# Altium PCB DC_PCB.PcbDoc (continued)
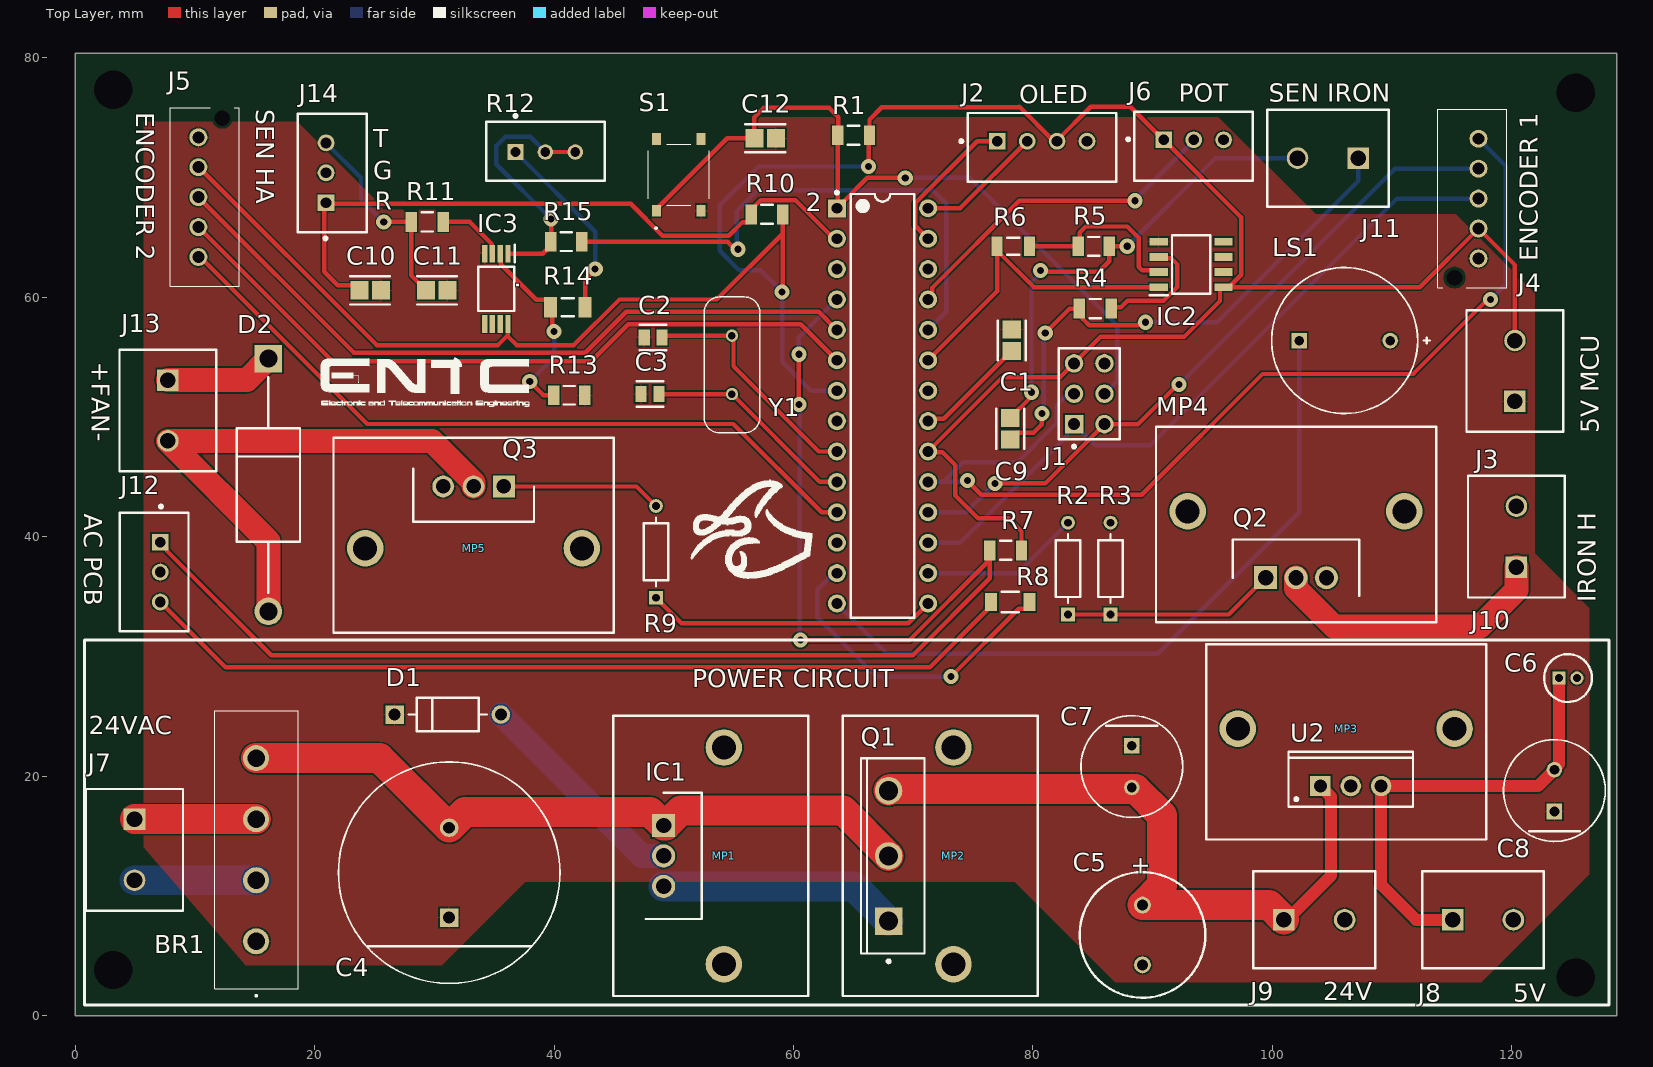
[diagram p0: Top Layer view]
## Part data (continued)
C6: "Capacitor Polarised", Manufacturer_Name=Panasonic, Datasheet Link=https://componentsearchengine.com/Datasheets/2/ECEA1HKS0R1.pdf, Height=6mm, Manufacturer_Part_Number=ECEA1HKS0R1, Parameter 1=100nf
C7 C8: library part CMP-05427-000020-1, "CAP ALUM 100UF 20% 50V RADIAL", Capacitance=100uF, Case/Package=Radial, ESR (Equivalent Series Resistance)=61mR, Max Operating Temperature=105°C, Min Operating Temperature=-40°C, Package Quantity=1, Ripple Current=870mA, Tolerance=20%, Voltage Rating=50V, Contact Plating=Tin, Diameter=8mm, Features="General Purpose", Height=11.5mm, Height - Seated (Max)=0.512inch, Impedance=61mR, Lead Diameter=0.6mm, Lead Free="Lead Free", Lead Pitch=5mm, Length=11.5mm, Life (Hours)=6000Hour, Mount="Through Hole", Packaging="Tape and Reel", Radiation Hardening=No, REACH SVHC="No SVHC", RoHS Compliant=Yes, Series=FR, Termination=Radial, Voltage Rating (DC)=50V
D1: library part CMP-123542-000001-1, "Rectifier diode 1000 V 1 A DO-41, ,", Capacitance=15pF, Forward Current=1A, Manufacturer=Diotec, Max Junction Temp=+175°C, Max Repetitive Reverse Voltage=1000V, Max Surge Forward Current=27A, Peak Reverse Current=5uA, Temperature="-50°C to +175°C", Temperature Range Low=-50°C, Automotive=No, Category=Diode, ComponentLink2Description=Datasheet, ComponentLink2URL=https://datasheet.octopart.com/1N4007-Diotec-datasheet-62346875.pdf, Device Class L1="Discrete Semiconductors", Device Class L2=Diodes, Device Class L3="Rectifier Diodes", Height=2.8mm, Ipc Land Pattern Name=DIOAD888W100L520D280, Lead Free=Yes, Manufacturer Part Number=1N4007, Octopart=https://octopart.com/1n4007-diotec-4040411, Package=1N4007, Reverse Voltage=1000V, RoHS=TRUE, Temperature Range High=+175°C
D2: library part CMP-02540-000083-1, "DIODE GEN PURP 1KV 3A DO201AD", Average Rectified Current=3A, Capacitance=36pF, Case/Package=DO-201AD, Forward Voltage=1.7V, Max Forward Surge Current (Ifsm)=150A, Max Operating Temperature=150°C, Max Repetitive Reverse Voltage (Vrrm)=1kV, Max Reverse Current=10uA, Min Operating Temperature=-55°C, Package Quantity=1, Element Configuration=Single, Forward Current=3A, Height=5.3mm, Lead Free="Lead Free", Length=9.5mm, Max Reverse Voltage (DC)=1kV, Max Surge Current=150A, Mount="Through Hole", Number of Pins=2, Output Current=3A, Outside Diameter=5.3mm, Packaging="Tape and Reel", Peak Non-Repetitive Surge Current=150A, Polarity=Standard, Radiation Hardening=No, Recovery Time=75ns, Reverse Recovery Time=75ns, Reverse Recovery Time-Max=75ns, Reverse Voltage=1kV, RoHS Compliant=Yes, Series=-, Termination=Axial, Width=5.3mm
IC1: "Integrated Circuit", Manufacturer_Name="Texas Instruments", Mouser Part Number=N/A, Datasheet Link=https://media.digikey.com/pdf/Data%20Sheets/National%20Semiconductor%20PDFs/LM140,LM340(A).LM7800C.pdf, Height=4.7mm, Manufacturer_Part_Number=LM7824CT, Mouser Price/Stock=https://www.mouser.co.uk/ProductDetail/Texas-Instruments/LM7824CT?qs=9V2QonpqdTsSUSVcEBRo9w%3D%3D
IC2: "Integrated Circuit", Manufacturer_Name=onsemi, Mouser Part Number=512-LM358MX, Arrow Part Number=LM358MX, Arrow Price/Stock=https://www.arrow.com/en/products/lm358mx/on-semiconductor, Datasheet Link=http://www.onsemi.com/pub/Collateral/LM358A-D.pdf, Height=1.75mm, Manufacturer_Part_Number=LM358MX, Mouser Price/Stock=https://www.mouser.co.uk/ProductDetail/onsemi-Fairchild/LM358MX?qs=k6rL%2Fc%252BPp3K5YsPvcEtWGQ%3D%3D
IC3: "Integrated Circuit", Arrow Part Number=MCP6022-I/ST, Manufacturer_Name=Microchip, Mouser Part Number=579-MCP6022-I/ST, Arrow Price/Stock=https://www.arrow.com/en/products/mcp6022-ist/microchip-technology?region=europe, Datasheet Link=https://datasheet.datasheetarchive.com/originals/distributors/Datasheets-DGA24/1612719.pdf, Height=1.2mm, Manufacturer_Part_Number=MCP6022-I/ST, Mouser Price/Stock=https://www.mouser.co.uk/ProductDetail/Microchip-Technology/MCP6022-I-ST?qs=cQYLKLPzRJmFw784uzHvww%3D%3D
J1: library part CMP-00257-00655468-1, "90131-0763 Conn Unshrouded Header HDR 6 POS 2.54mm Solder ST Top Entry Thru-Hole C-Grid III™ Tray", Contact Resistance=20mΩ, Current Rating=3A, Housing Color=Black, Insulation Resistance=5GΩ, Manufacturer Lifecycle Status=ACTIVE, Max Operating Temperature=125°C, Min Operating Temperature=-55°C, Voltage Rating=350V, Contact Material=Brass, Contact Plating=Gold, Country of Origin=SG, Gender=Male, Height=9.65mm, Housing Material=Polyester, Lead Free="Lead Free", Lead Pitch=2.54mm, Lifecycle Status=Production, Material="Glass, Polyester", Mount="Through Hole", NexarPartId=655468, Number of Circuits=6, Number of Contacts=6, Number of Poles=6, Number of Positions=6, Number of Rows=2, Orientation=Vertical, Parameter 1=CODE, Pitch=2.54mm, Plating=Tin, Radiation Hardening=No, REACH SVHC=Unknown, RoHS=Compliant, Schedule B=8536694040, Termination="Through Hole", Voltage Rating (AC)=350V, Voltage Rating (DC)=350V, Working Voltage=350V
J2: library part CMP-17439-000250-1, "CONN HEADER VERT 4POS 2.5MM", Color=Natural, Contact Resistance=20mR, Current Rating=3A, Flammability Rating="UL94 V-0", Housing Color=White, Insulation Resistance=1GR, Max Operating Temperature=85°C, Max Voltage Rating (AC)=250V, Min Operating Temperature=-25°C, Package Quantity=500, Connector Type=Header, Contact Finish - Mating=TIN, Contact Material=Brass, Contact Plating=Tin, Contact Shape=Square, Contact Type="Male Pin", Depth=5.75mm, Fastening Type=Detent, Gender=Male, Housing Material=Polyamide, Insulation Color=Natural, Insulation Material=Nylon, Lead Free="Lead Free", Lead Pitch=2.5mm, Length=12.4mm, Mated Stacking Heights=9.8mm, Material=Polyamide, Max Current Rating=3A, Max Voltage Rating (DC)=250V, Mount="Through Hole", Number of Contacts=4, Number of Positions=4, Number of Rows=1, Orientation=Straight, Packaging=Bulk, Pitch=2.5mm, REACH SVHC="No SVHC", Series=XH, Termination=Solder, Voltage Rating=250V, Voltage Rating (AC)=250V, Wire/Cable Gauge=22AWG
J3 J7 J8 J9 J10 J11 J13: library part CMP-2000-05815-1, "PCB Terminal Block, 13.5 A, 400 V, 2-Pin THD, RoHS, Bulk", Current Rating=13500mA, Manufacturer="Phoenix Contact", Package Description="2-Pin Through Hole Device, Body 8.1 x 10.16 mm, Pitch 5.08 mm", Package Reference=1729128-2, Package Version=03/2015, Voltage Rating=400V, Datasheet URL=https://datasheet.ciiva.com/16046/1729128-16046181.pdf, Datasheet Version=12/2013, Manufacturer URL=http://www.phoenixcontact.com/, Mounting Technology=ThroughHole, No. of Positions=2, No. of Rows=1, Orientation=Horizontal, Package URL=https://www.phoenixcontact.com/online/portal/pi/pxc/product_detail_page/!ut/p/b1/3VdJjqNKFDxLH8AFycySyWY2ozFsEPOMMQaDOX1XedGL_1Vdm5YXJleknhSKeBkvI6EA8ncAo3AYoDhBQGco6KN7VURTdemj9us_IEKEZo_YHiPAEWEFmDGOHMORkqKYCORBZxgL7ZoaZYcbFFUZ3fqxSY6GOuxydWUuHqz1ynmMFygu583Bob0Ewr6Sd_l-5m-kAueHiB0jpRwZwe58wwtkpxtMYd_LmGcDRU02dRNEyWt6Y2ti5pSyJ_reIkzIulrqApdnbT11V5jnCKbYNCvhEM1MCpPByat_X379-iThf08CI5GfOPqfBeS3BRoBOdD55AKVv0iLwCMq-2BrzXWSGRH7pUGD9uwXQjiph3xL0DKQwdGa0JImiIOmBNOestqgwTHSSs2oOep-78apyXQBvNi8ZLaFjvjWvcaUEBu0MC6Wbe-d6mB0FAebo2lUWinqYaZs5DAYzV0RP9yitUjnGJ0iI9xhZkT42OCQNUJJhkgWINNQLP2JFP6OpMg3JCVg70jqHT0lvKOnhHf0lPuOnnLf0VPuWx6_dxwUIvwk5WMkT0kLL1mh61l2yZVSzG3pYV_bqo-mj6uMKwKwdnnW8Jh5RTOJzMOA5c-eJDaZQw4mTMPH02PvS_ZAqNVjVTo2WyYLkwH_KU1mmmG5kjRhDqPXLwwVHvVOjCM60-fpXvTDfMGW1PVFVS1r4e4yVDk4ZdNbkUHvqPqQSeian4UD39fNKmachqdJ1NJbyk8rXT9mXTvPk3oE5meulKGgiruPJek-4I9hTT6G8ZLOyRSm2RRVbThERQad5OS28hdt4YW4vG0stgYYzsWsK4_7y6DZMjJSCqri1kyiZR5vD7pwIrNR7QwPHTcLTI5qT7eRlpHrdGiupYlqQDJ7zy_CND8fWWBoLRXxk1RVcXiBQwbTD4Xi7KL-FuO94t9xaqweXzH, Packing=Bulk, PartNumber=1729128, Pitch=5.08mm, RoHS=TRUE
  J3 J8: Parameter 1=5V
  J7: Parameter 1=24VAC
  J9: Parameter 1=24V
  J10: Parameter 1="Soldering Iron H"
  J11: Parameter 1="THERMO COUPLE IRON"
  J13: Parameter 1=FAN
J4 J5: "Connector", Arrow Part Number="B5B-XH-AM (LF)(SN)", Manufacturer_Name="JST (JAPAN SOLDERLESS TERMINALS)", Arrow Price/Stock=https://www.arrow.com/en/products/b5b-xh-am-lf-sn/jst-manufacturing, Datasheet Link=http://uk.rs-online.com/web/p/products/1755317, Height=7mm, Manufacturer_Part_Number="B5B-XH-AM (LF)(SN)"
  J4: Parameter 1=ENCODER_IRON
  J5: Parameter 1=ENCODER_HOT_AiR
J6 J12 J14: library part CMP-17439-000014-3, "CONN HEADER VERT 3POS 2.5MM", Color=Natural, Contact Resistance=20mR, Current Rating=3A, Flammability Rating="UL94 V-0", Housing Color=White, Insulation Resistance=1GR, Max Operating Temperature=85°C, Max Voltage Rating (AC)=250V, Min Operating Temperature=-25°C, Connector Type=Header, Contact Finish - Mating=TIN, Contact Material=Brass, Contact Plating=Tin, Contact Shape=Square, Contact Type="Male Pin", Depth=5.75mm, Fastening Type=Detent, Gender=Male, Housing Material=Polyamide, Insulation Color=Natural, Insulation Material=Nylon, Lead Free="Lead Free", Lead Pitch=2.5mm, Length=9.9mm, Max Current Rating=3A, Max Voltage Rating (DC)=250V, Mount="Through Hole", Number of Contacts=3, Number of Positions=3, Number of Rows=1, Orientation=Straight, Packaging=Bulk, Pitch=2.5mm, REACH SVHC="No SVHC", Series=XH, Termination=Solder, Voltage Rating=250V, Voltage Rating (AC)=250V, Wire/Cable Gauge=22AWG
  J6: Parameter 1=POT
  J12: AC PCB=POT, Parameter 1="AC PCB"
  J14: AC PCB=POT, Parameter 1="SENSOR HOT AIR"
LS1: library part CMP-231724-000001-1, "AUDIO MAGNETIC INDICATOR 3-7V TH", Color=Black, Current Rating=30mA, Frequency=2.3kHz, Max Operating Temperature=85°C, Max Supply Voltage=7V, Min Operating Temperature=-40°C, Min Supply Voltage=3V, Nominal Supply Voltage (DC)=5V, Package Quantity=100, Bandwidth=2.3kHz, Contact Plating=Tin, Diameter=12mm, Height=9.5mm, Input Current=30mA, Input Type=DC, Lead Free="Lead Free", Length=12mm, Max Supply Current=30mA, Max Supply Voltage (DC)=7V, Min Supply Voltage (DC)=3V, Mount="Through Hole", Operating Supply Current=30mA, Packaging=Tray, Parameter 1=BUZZER, REACH SVHC="No SVHC", Self Resonant Frequency=2.3kHz, Sensing Method=Magnetic, Series=AI, Termination="PC Pins", Voltage Rating (DC)=5V, Washable=Yes, Weight=0.01lb, Width=12mm
MP1 MP2 MP3 MP4 MP5: library part CMP-33535-000032-1, "HEATSINK W/CLIP FOR TO-264", Case/Package=TO-264, Natural Thermal Resistance=12°C/W, Package Quantity=10, Thermal Resistance @ Forced Air Flow (100 LFM)=8°C/W, Height=32mm, Height Off Base=0.63inch, Length=1.26inch, Material=Aluminium, Mount=Clip, Package Cooled=TO-264, Packaging=Bulk, RoHS Compliant=Yes, Series=W, Shape=Fins, Weight=0.42oz, Width=23.4mm
Q1: library part CMP-1048-01314-1, "Complementary Silicon Power Transistor, 3-Pin TO-247, Pb-Free, Tube", Manufacturer="On Semiconductor", ComponentLink1Description="Manufacturer URL", ComponentLink1URL=http://www.onsemi.com/, ComponentLink2Description=Datasheet, ComponentLink2URL=http://www.onsemi.com/pub_link/Collateral/TIP3055-D.PDF, ComponentLink3Description="Package Specification", ComponentLink3URL=http://www.onsemi.cn/pub_link/Collateral/340L-02.PDF, DatasheetVersion="Rev. 7", fT Min (MHz)=2.5, IC Continuous (A)=15, Mounting Technology="Through Hole", PackageDescription="3-Pin Flange Mount, Vertical Straight Lead, Body 16.005 x 5 mm, Pitch 5.45 mm", PackageReference=TO-247-3-340L-02, PackageVersion="Rev. F, 10/2011", Packing=Tube, PartNumber=TIP3055G, Polarity=NPN, RoHS=TRUE
Q2: "MOSFET (N-Channel)", Manufacturer_Name=Infineon, Datasheet Link=http://uk.rs-online.com/web/p/products/3713068, Height=4.69mm, Manufacturer_Part_Number=IRF540N
Q3: "MOSFET (N-Channel)", Manufacturer_Name="Inchange Semiconductor", Datasheet Link=https://4donline.ihs.com/images/VipMasterIC/IC/INSE/INSES02201/INSES02201-1.pdf?hkey=EF798316E3902B6ED9A73243A3159BB0, Height=4.4mm, Manufacturer_Part_Number=IRFZ44N
R1 R4 R7 R10 R11: library part CMP-2003-04807-2, "RES Thick Film, 10kΩ, 1%, 0.25W, 100ppm/°C, 1206", Case Code (Imperial)=1206, Case Code (Metric)=3216, Max Operating Temperature=155°C, Max Power Dissipation=250mW, Min Operating Temperature=-55°C, Package Quantity=10, Resistance=10kR, Temperature Coefficient=100ppm/°C, Tolerance=1%, Voltage Rating=200V, Case/Package=1206, Composition="Thick Film", Contact Plating=Tin, Depth=1.6mm, Features="Automotive AEC-Q200", Height=0.55mm, Lead Free="Lead Free", Length=3.2mm, Military Standard=Not, Number of Pins=2, Number of Terminations=2, Packaging="Tape and Reel", Power Rating=250mW, Radiation Hardening=No, Termination=SMD/SMT, Voltage Rating (DC)=200V, Weight=0.000353oz, Width=0.063inch, Working Voltage=200V
R2 R3 R9: library part CMP-00030-44386654-1, "CMF5073K200FHEB Res Metal Film 73.2K Ohm 1% 0.125W(1/8W) ±50ppm/°C Epoxy AXL T/R", Case/Package=Axial, Max Operating Temperature=175°C, Max Power Dissipation=250mW, Min Operating Temperature=-55°C, Power Rating=125mW, Resistance=73.2kΩ, Temperature Coefficient=50ppm/°C, Tolerance=1%, Voltage Rating=200V, Composition="Metal Film", Diameter=1.65mm, Features="Flame Retardant Coating, Moisture Resistant", Lead Free="Lead Free", Length=3.81mm, Mount="Through Hole", NexarPartId=44386654, Number of Terminations=2, Packaging="Cut Tape", RoHS=Compliant, Schedule B="8533210090, 8533210090", Termination=Axial, Voltage Rating (DC)=200V, Width=1.65mm
R5 R13: library part CMP-03211-006592-1, "CRGCQ1206 1KΩ 0.25W 1% ±100ppm/°C 200V", Ambient Temperature Range High=+70°C, Manufacturer="TE Connectivity", Package=CRGCQ1206, Power Rating=0.25W, Resistance=1KΩ, Temperature="-55°C to +155°C", Temperature Coefficient=±100ppm/°C, Temperature Range High=+155°C, Temperature Range Low=-55°C, Tolerance=0.01, Voltage Rating=200V, Automotive=Yes, Automotive Grade="Grade 685", Category=Res, ComponentLink2Description=Datasheet, ComponentLink2URL=https://www.te.com/commerce/DocumentDelivery/DDEController?Action=showdoc&DocId=Data+Sheet%7F1773204-3%7F1%7Fpdf%7FEnglish%7FENG_DS_1773204-3_1.pdf%7F4-2176347-694, Composition="Thick Film", Device Class L1="Passive Components", Device Class L2=Resistors, Device Class L3="Chip SMD Resistors", Height=0.65mm, Ipc Land Pattern Name=RESC310155X55, Lead Free=Yes, Manufacturer Part Number=CRGCQ1206F1K0, Octopart=https://octopart.com/crgcq1206f1k0-te+connectivity-91018258, RoHS=TRUE, Series=CRGCQ
R6: library part CMP-2003-04836-1, Manufacturer="Vishay Dale", Parameter 1=120K, Part Number=CRCW1206120KFKEA
R8: library part CMP-03412-034136-1, "RES SMD 220 OHM 1% 1/4W 1206", Manufacturer=Yageo, Package=AC1206, Power Rating=0.25W, Resistance=220Ω, Temperature="-55°C to +155°C", Temperature Range High=+155°C, Temperature Range Low=-55°C, Tolerance=0.01, Voltage Rating=200V, Automotive=Yes, Automotive Grade="Grade 0", Category=Res, ComponentLink2Description=Datasheet, ComponentLink2URL=http://www.yageo.com/NewPortal/yageodocoutput?fileName=/pdf/R-Chip/PYu-AC_51_RoHS_L_6.pdf, Composition="Thick Film", Device Class L1="Passive Components", Device Class L2=Resistors, Device Class L3="Chip SMD Resistors", Digikey Description="RES SMD 220 OHM 1% 1/4W 1206", Footprint Url=http://www.yageo.com/exep/pages/download/literatures/PYu-R_Mount_10.pdf, Height=0.65mm, Ipc Land Pattern Name=RESC310160X55, Lead Free=Yes, Manufacturer Part Number=AC1206FR-07220RL, Mouser Description="Thick Film Resistors - SMD 1/4W 220ohm 1% AEC-Q200", Octopart=https://octopart.com/ac1206fr-07220rl-yageo-30511077, RoHS=TRUE, Series=AC
R12: library part CMP-50449-000002-1, "TRIMMER 100K OHM 0.5W PC PIN TOP", Max Operating Temperature=125°C, Max Power Dissipation=500mW, Min Operating Temperature=-55°C, Package Quantity=100, Resistance=100kR, Resistance Tolerance=10%, Resistor Type=Cermet, Temperature Coefficient=100ppm/°C, Voltage Rating=200V, Depth=4.95mm, Height=0.409inch, Lead Free="Lead Free", Length=9.53mm, Military Standard=Not, Mount="Through Hole", Number of Turns=20, Packaging=Bulk, Power Rating=500mW, Radiation Hardening=No, REACH SVHC="No SVHC", RoHS Compliant=Yes, Series=67, Technology=CERMET, Termination=Pin, Tolerance=10%, Type=Potentiometer, Voltage Rating (DC)=200V, Weight=1.1g
R14: library part CMP-1014-00736-2, Manufacturer="Vishay Dale", Parameter 1=100K, Part Number=CRCW1206100KFKEA
R15: library part CMP-03211-011147-1, "CRGCQ 1206 470R 1%", Ambient Temperature Range High=+70°C, Manufacturer="TE Connectivity", Package=CRGCQ1206, Power Rating=0.25W, Resistance=470Ω, Temperature="-55°C to +155°C", Temperature Coefficient=±100ppm/°C, Temperature Range High=+155°C, Temperature Range Low=-55°C, Tolerance=0.01, Voltage Rating=200V, Automotive=Yes, Automotive Grade="Grade 609", Category=Res, ComponentLink2Description=Datasheet, ComponentLink2URL=https://www.te.com/commerce/DocumentDelivery/DDEController?Action=showdoc&DocId=Data+Sheet%7F1773204-3%7F1%7Fpdf%7FEnglish%7FENG_DS_1773204-3_1.pdf%7F4-2176347-618, Composition="Thick Film", Device Class L1="Passive Components", Device Class L2=Resistors, Device Class L3="Chip SMD Resistors", Digikey Description="CRGCQ 1206 470R 1%", Height=0.65mm, Ipc Land Pattern Name=RESC310155X55, Lead Free=Yes, Manufacturer Part Number=CRGCQ1206F470R, Mouser Description="Res General Purpose Thick Film 1206 470 Ohm 1% 1/4W ±100ppm/°C Molded Paper T/R", Octopart=https://octopart.com/crgcq1206f470r-te+connectivity-91018284, RoHS=TRUE, Series=CRGCQ
S1: "Switch", Manufacturer_Name="XKB Connectivity", Datasheet Link=http://www.helloxkb.com/public/images/pdf/TS-1187A-X-X-X.pdf, Height=4.05mm, Manufacturer_Part_Number=TS-1187A-B-A-B
U2: library part CMP-0244-00483-1, "Positive Voltage Regulator, 5V, 3-Pin TO-220", ComponentLink1Description="Manufacturer URL", ComponentLink1URL=http://www.st.com, ComponentLink2Description=Datasheet, ComponentLink2URL=http://www.st.com/internet/com/TECHNICAL_RESOURCES/TECHNICAL_LITERATURE/DATASHEET/CD00000444.pdf, ComponentLink3Description="Package Specification", ComponentLink3URL=http://www.st.com/internet/com/TECHNICAL_RESOURCES/TECHNICAL_LITERATURE/PACKAGE_INFORMATION/CD00004649.pdf, DatasheetVersion=16/11/2011, PackageDescription="TO, Thru-Hole, Vertical, Heatsink Mounted; 3 In-Line Leads; Pitch 2.54 mm", PackageReference=TO220, PackageVersion=ver3.0
Y1: "16MHz Â±30ppm Crystal Series 40 Ohms HC-49/US", Package="HC49/US ECS International", Availability=Unavailable, MF="ECS Inc.", MP=ECS-160-S-4, Price=None, SnapEDA_Link=https://www.snapeda.com/parts/ECS-160-S-4/ECS%20Inc./view-part/3657575/?ref=snap

## Free pads (board coordinates)
  round 0 hole 3.2: 2(3.175,3.81) 2(3.175,77.343) 2(125.346,3.175) 2(125.346,77.089)

## Via types
v1: diameter 1.27, hole 0.6, Top Layer to Bottom Layer, 24 vias

## Nets (pads, with @x,y where several pads share a name; then routed paths per layer and width w, separated by ;. In a path a pad name is that pad's centre, name@x,y a point inside that pad or via, vN(x,y) a via of type N, cw(c..) or ccw(c..) an arc to the next point about the centre after c; other vN are vias at no path point)
+5: 2.7 2.20 IC2.8 IC3.8 J1.5 J2.3 J3.2 J4.2 J5.2 J6.1 R1.2 R7.2 R10.2 | length 228
  Top Layer w0.371: J5.2@10.319,70.866 25.178,56.007 35.311,56.007 36.105,56.802 ; IC3.8@36.154,57.757 36.154,56.733 36.88,56.007 41.656,56.007 45.466,59.817 53.595,59.817 59.094,65.316 ; v1(59.055,60.452) 59.111,60.508 R10.2 ; v1(66.259,70.925) 66.304,70.97 66.304,73.487 R1.2 66.35,74.84 67.383,75.873 78.828,75.873 78.876,75.92 81.749,73.047 J2.3@82.022,73.047 ; R7.2 79.05,40.457 77.978,41.529 75.438,41.529 73.533,43.434 73.533,45.974 72.435,47.072 71.292,47.072 2.20 77.47,53.34 82.296,53.34 J1.5 85.676,56.72 92.661,56.72 95.631,59.69 95.631,60.694 IC2.8@95.77,60.833 ; J2.3@82.022,73.107 84.836,75.92 88.135,75.92 J6.1@90.389,73.666 ; J6.1 97.409,66.675 97.409,61.874 IC2.8@96.368,60.833 ; IC2.8 IC2.8@96.368,60.833 ; J3.2 120.269,62.698 J4.2 112.308,60.833 IC2.8@96.368,60.833
  Bottom Layer w0.371: 2.7 61.468,52.197 59.055,54.61 v1(59.055,60.452) 57.26,62.247 55.482,62.247 53.848,63.881 53.848,67.691 57.082,70.925 v1(66.259,70.925)
ENCODER_1_D_1: 2.18 J1.2 J4.4 | length 57.9
  Top Layer w0.371: v1(76.835,44.45) 81.026,44.45 J1.2 88.773,49.403 92.075,52.705 v1(92.202,52.705)
  Bottom Layer w0.371: 2.18 74.422,42.037 v1(76.835,44.45) ; v1(92.202,52.705) 110.243,70.746 J4.4
ENCODER_1_D_2: 2.19 J1.3 J4.5 | length 84.1
  Top Layer w0.371: v1(74.549,44.704) 74.549,44.637 75.683,43.502 89.095,43.502 99.187,53.594 111.76,53.594 117.983,59.817 v1(118.237,59.817)
  Bottom Layer w0.371: 2.19 72.517,44.577 ; v1(74.549,44.704) 74.422,44.577 72.517,44.577 ; J1.3 83.213,51.717 82.705,51.717 81.974,50.986 81.974,49.494 78.707,46.228 74.168,46.228 72.517,44.577 ; J4.5 119.507,70.96 119.507,61.087 v1(118.237,59.817)
ENCODER_1_PWM: 2.17 J1.1 J4.3 | length 59.6
  Bottom Layer w0.371: 2.17 73.914,39.497 82.85,48.433 82.85,48.814 J1.1 85.217,47.625 89.789,47.625 110.41,68.246 J4.3
ENCODER_2_D_1: 2.6 J5.4 | length 60.5
  Top Layer w0.371: J5.4 21.484,54.669 43.112,54.669 46.2,57.757 60.607,57.757 2.6
ENCODER_2_D_2: 2.11 J5.5 | length 62.2
  Top Layer w0.371: J5.5 10.448,63.366 24.397,49.417 54.977,49.417 62.357,42.037 2.11
ENCODER_2_PWM: 2.5 J5.3 | length 60.8
  Top Layer w0.371: J5.3 23.281,55.372 42.609,55.372 46.038,58.801 62.103,58.801 2.5
GND: 2.8 2.22 BR1.1 C1.2 C2.2 C3.2 C4.1 C5.2 C6.2 C7.1 C8.1 C10.2 C11.2 C12.2 D1.1 IC2.4 IC3.4 J1.6 J2.4 J3.1 J4.1 J5.1 J6.3 J8.2 J9.2 J12.2 J14.2 LS1.2 Q2.3 Q3.3 R3.2 R13.1 S1.C1 U2.2
NetBR1_2: BR1.2 J7.2 | length 10.2
  Bottom Layer w2.5: J7.2 BR1.2
NetBR1_3: BR1.3 J7.1 | length 10.2
  Top Layer w0.381: J7.1 J7.1@4.973,16.403
  Top Layer w2.5: J7.1@4.973,16.403 BR1.3
NetBR1_4: BR1.4 C4.2 IC1.1 Q1.2 | length 58.4
  Top Layer w2.5: BR1.4 25.427,21.503 C4.2 32.572,17.018 48.006,17.018 IC1.1 49.343,15.875 50.613,17.145 64.135,17.145 Q1.2
NetC1_1: 2.21 C1.1 | length 9.4
  Top Layer w0.381: 2.21 71.451,49.861 72.569,49.861 78.206,55.499 C1.1
NetC2_1: 2.9 C2.1 Y1.2 | length 20.1
  Top Layer w0.371: C2.1 49.176,56.796 Y1.2 54.99,56.67 54.99,54.23 62.103,47.117 2.9
NetC3_1: 2.10 C3.1 Y1.1 | length 17.9
  Top Layer w0.371: C3.1 Y1.1 62.203,44.577 2.10
NetC5_1: C5.1 C7.2 J9.1 Q1.3 U2.1 | length 56.5
  Top Layer w1: J9.1@101.619,8.401 104.902,11.684 104.902,18.288 104.042,19.148 U2.1@104.042,19.177
  Top Layer w2.5: Q1.3 68.078,18.918 C7.2@88.133,18.918 ; C7.2@88.394,18.921 88.577,18.921 90.803,16.695 90.803,10.88 C5.1 99.735,9.231 J9.1
NetC6_1: C6.1 C8.2 J8.1 U2.3 | length 38.3
  Top Layer w1: J8.1 112.014,8.001 109.093,10.922 U2.3 122.202,19.177 C8.2 123.571,20.627 123.952,21.008 C6.1
NetC9_1: C9.1 J11.1 R4.1 | length 45.8
  Top Layer w0.371: C9.1 78.672,48.683 80.06,48.683 80.749,49.372 80.749,50.269 v1(80.772,50.292) ; v1(81.026,57.023) 83.058,59.055 R4.1 84.183,58.762 84.183,58.184 84.709,57.658 88.741,57.658 88.823,57.74 89.236,57.74 v1(89.408,57.912)
  Bottom Layer w0.371: v1(80.772,50.292) 80.899,50.419 80.899,56.896 v1(81.026,57.023) ; v1(89.408,57.912) 95.377,57.912 107.188,69.723 J11.1
NetC9_2: C9.2 J11.2 R5.2 | length 39.5
  Top Layer w0.371: C9.2 79.883,51.706 v1(79.883,52.07) ; v1(80.645,62.23) 80.73,62.145 85.513,62.145 86.391,63.023 R5.2 v1(87.884,64.262)
  Bottom Layer w0.371: v1(79.883,52.07) 79.883,61.307 80.645,62.069 v1(80.645,62.23) ; v1(87.884,64.262) 95.25,71.628 J11.2
NetC10_1: 2.2 C10.1 J14.1 R10.1 | length 56.2
  Top Layer w0.371: C10.1 23.316,60.996 21.932,60.996 20.797,62.131 20.797,67.74 J14.1 21.046,67.807 46.402,67.807 49.068,65.141 54.604,65.141 55.75,66.286 56.166,66.286 56.459,66.579 56.459,67.28 56.802,67.624 56.802,67.664 57.26,68.122 60.153,68.122 63.378,64.897 2.2
NetC11_1: C11.1 J14.3 R11.1 | length 17.1
  Top Layer w0.371: v1(25.781,66.294) R11.1 28.082,61.826 29.303,60.605 C11.1
  Bottom Layer w0.371: J14.3 23.876,69.977 23.876,68.199 v1(25.781,66.294)
NetD1_2: D1.2 IC1.2 | length 18.5
  Bottom Layer w2: D1.2 47.366,13.335 IC1.2
NetD2_1: D2.1 J13.1 | length 9.1
  Top Layer w2: J13.1 14.334,53.086 D2.1
NetD2_2: D2.2 J13.2 Q3.2 | length 45
  Top Layer w2: D2.2 16.129,39.624 J13.2 29.801,48.006 33.274,44.533 Q3.2
NetIC1_3: IC1.3 Q1.1 | length 20
  Bottom Layer w2.5: IC1.3 65.035,10.795 Q1.1
NetIC2_1: 2.23 IC2.1 R6.2 | length 26.7
  Top Layer w0.371: 2.23 77.009,60.499 R6.2@77.009,63.912 ; R6.2 R6.2@77.009,63.912 ; IC2.1 80.088,60.833 R6.2@77.009,63.912
NetIC2_2: IC2.2 R5.1 R6.1 | length 15.1
  Top Layer w0.371: R6.1 R5.1 83.915,64.388 83.915,65.406 84.422,65.913 87.884,65.913 88.832,64.965 88.832,62.553 89.142,62.242 90.366,62.242 IC2.2
NetIC2_3: IC2.3 R4.2 | length 10
  Top Layer w0.371: R4.2 86.654,59.166 87.36,59.166 87.911,59.717 90.919,59.717 92.075,60.873 92.075,62.738 91.539,63.274 90.605,63.274 IC2.3
NetIC3_1: IC3.1 R12.2 R12.3 R15.2 | length 21.5
  Top Layer w0.371: IC3.1 39.048,63.644 39.72,64.316 R15.2 39.751,64.674 v1(39.751,66.548) ; R12.2 R12.3
  Bottom Layer w0.371: R12.2 38.013,73.406 35.941,73.406 35.179,72.644 35.179,71.12 v1(39.751,66.548)
NetIC3_2: IC3.2 R13.2 R14.1 | length 16.3
  Top Layer w0.371: IC3.2 35.544,63.605 35.544,62.771 38.508,59.807 39.334,59.807 39.852,59.289 39.852,57.303 v1(40.005,57.15) ; v1(37.973,52.959) 39.116,51.816 R13.2
  Bottom Layer w0.371: v1(37.973,52.959) 40.005,54.991 v1(40.005,57.15)
NetIC3_3: IC3.3 R11.2 | length 5.7
  Top Layer w0.371: R11.2 32.958,66.294 34.814,64.438 34.814,63.683 IC3.3
NetJ10_1: J10.1 Q2.2 | length 23.8
  Top Layer w2: Q2.2 101.981,35.687 105.156,32.512 117.348,32.512 120.396,35.56 J10.1
NetJ12_1: 2.4 J12.1 R7.1 | length 126.7
  Top Layer w0.371: J12.1 7.626,39.03 7.626,38.856 16.384,30.099 69.977,30.099 76.398,36.52 R7.1@76.398,38.065 ; v1(60.452,51.054) v1(60.452,55.245) ; v1(60.579,31.369) 69.702,31.369 R7.1@76.398,38.065 ; R7.1 76.398,38.511 R7.1@76.398,38.065
  Bottom Layer w0.371: v1(60.452,51.054) 60.515,50.99 60.515,31.432 v1(60.579,31.369) ; v1(60.452,55.245) 60.452,56.642 2.4
NetJ12_3: J12.3 R8.2 | length 74.1
  Top Layer w0.371: J12.3 12.573,29.083 71.374,29.083 76.191,33.9 76.191,34.229 R8.2
NetLS1_1: 2.14 LS1.1 | length 59.6
  Bottom Layer w0.371: 2.14 67.818,30.226 90.424,30.226 102.245,42.047 LS1.1
NetQ2_1: Q2.1 R2.1 R3.1 | length 17.8
  Top Layer w0.371: R2.1 R3.1 96.368,33.503 Q2.1
NetQ3_1: Q3.1 R9.2 | length 13.4
  Top Layer w0.371: Q3.1 46.888,44.196 R9.2
NetR2_2: 2.16 R2.2 | length 13.4
  Bottom Layer w0.371: 2.16 78.715,36.957 R2.2
NetR8_1: 2.13 R8.1 | length 27
  Top Layer w0.371: v1(73.152,28.321) 78.811,33.98 79.39,33.98 79.705,34.294 R8.1
  Bottom Layer w0.371: 2.13 63.373,36.957 61.976,35.56 61.976,33.274 66.929,28.321 v1(73.152,28.321)
NetR9_1: 2.15 R9.1 | length 24.3
  Top Layer w0.381: R9.1 50.648,32.766 69.596,32.766 2.15
NetR12_1: R12.1 R14.2 | length 16.1
  Top Layer w0.371: R14.2 42.598,61.508 43.434,62.344 v1(43.434,62.357)
  Bottom Layer w0.371: R12.1 43.434,65.485 v1(43.434,62.357)
NetR15_1: 2.24 R15.1 | length 46.4
  Top Layer w0.371: R15.1 54.494,64.643 55.129,64.008 v1(55.372,64.008)
  Bottom Layer w0.371: v1(55.372,64.008) 55.245,64.135 55.245,67.183 57.023,68.961 71.628,68.961 72.771,67.818 72.771,58.801 2.24
POT: 2.25 J6.2 | length 28.2
  Top Layer w0.371: 2.25 71.247,60.123 71.612,60.488 71.612,60.817 78.867,68.072 v1(88.519,68.072)
  Bottom Layer w0.371: v1(88.519,68.072) 88.519,68.155 93.432,73.069 J6.2
RESET: 2.1 C12.1 J1.4 R1.1 S1.A1 | length 63.5
  Top Layer w0.371: 2.1 63.698,67.508 66.167,69.977 v1(69.342,69.977)
  Top Layer w0.381: S1.A1 48.544,67.356 54.467,73.279 C12.1 56.735,75.023 57.531,75.819 62.992,75.819 63.754,75.057 63.754,73.589 R1.1 2.1@63.698,67.508
  Bottom Layer w0.371: v1(69.342,69.977) 74.703,69.977 87.067,57.613 87.067,53.031 J1.4
SCL: 2.28 J2.2 | length 10.6
  Top Layer w0.381: 2.28 73.917,67.437 J2.2
SDA: 2.27 J2.1 | length 12.4
  Top Layer w0.381: 2.27 70.179,65.965 70.179,67.879 75.342,73.042 J2.1
pads on no net: 2.3 2.12 2.26 IC2.5 IC2.6 IC2.7 IC3.5 IC3.6 IC3.7 J4.MH1 J5.MH1 J10.2 MP1.1 MP1.2 MP2.1 MP2.2 MP3.1 MP3.2 MP4.1 MP4.2 MP5.1 MP5.2 S1.B1 S1.D1

## Polygon pours and split planes (outlines as drawn)
GND on Top Layer "GND_L01_P000" (solid, remove dead copper, pour order 0): 5.715,74.676 5.715,14.049 14.247,4.191 30.607,4.191 37.592,11.176 78.486,11.176 86.868,2.794 117.475,2.794 126.492,11.811 126.492,34.036 121.92,38.608 121.92,60.325 115.316,66.929 103.632,66.929 95.504,75.057 51.403,75.057 43.656,67.31 25.654,67.31 25.654,67.564 18.542,74.676
GND on Bottom Layer "GND_L02_P002" (solid, remove dead copper, pour order 2): 5.715,74.676 5.715,14.049 13.982,4.457 14.247,4.191 30.607,4.191 37.592,11.176 78.486,11.176 86.868,2.794 117.475,2.794 126.492,11.811 126.492,34.036 121.92,38.608 121.92,60.325 115.316,66.929 103.632,66.929 95.504,75.057 56.007,75.057 48.26,67.31 25.654,67.31 25.654,67.564 18.542,74.676

## Silkscreen, mask and mechanical layers (free items; w line width, h text height)
Top Overlay:
  drawing of 59 lines, arcs and shapes, not listed
  text "POT" at 92.202,76.327 h1.52
  text "SEN IRON" at 99.695,76.327 h1.52
  text "OLED" at 78.867,76.2 h1.52
  text "SEN HA" at 15.113,75.692 h1.52 r270
  text "ENCODER 2" at 5.08,75.438 h1.52 r270
  text "T" at 24.892,72.517 h1.52
  text "G" at 24.892,69.85 h1.52
  text "R" at 25.019,67.31 h1.52
  text "ENCODER 1" at 122.174,62.992 h1.52 r90
  text "." at 36.83,61.341 h1.52 r270
  text "+FAN-" at 1.397,54.61 h1.52 r270
  text "5V MCU" at 127.254,48.641 h1.52 r90
  text "AC PCB" at 0.762,41.91 h1.52 r270
  text "IRON H" at 127,34.544 h1.52 r90
  text "POWER CIRCUIT" at 51.562,27.432 h1.52
  text "24VAC" at 1.143,23.495 h1.52
  text "24V" at 104.267,1.27 h1.52
  text "5V" at 120.142,1.143 h1.52
Mechanical 13:
  the board outline again, w0.254

## Text inside footprints (layer, text, board x,y; h text height)
C5: Top Overlay "+" at 88.392,13.335 h1.5 r270